# KiCad board ZX-Spectrum-Pentagon.kicad_pcb (continued)
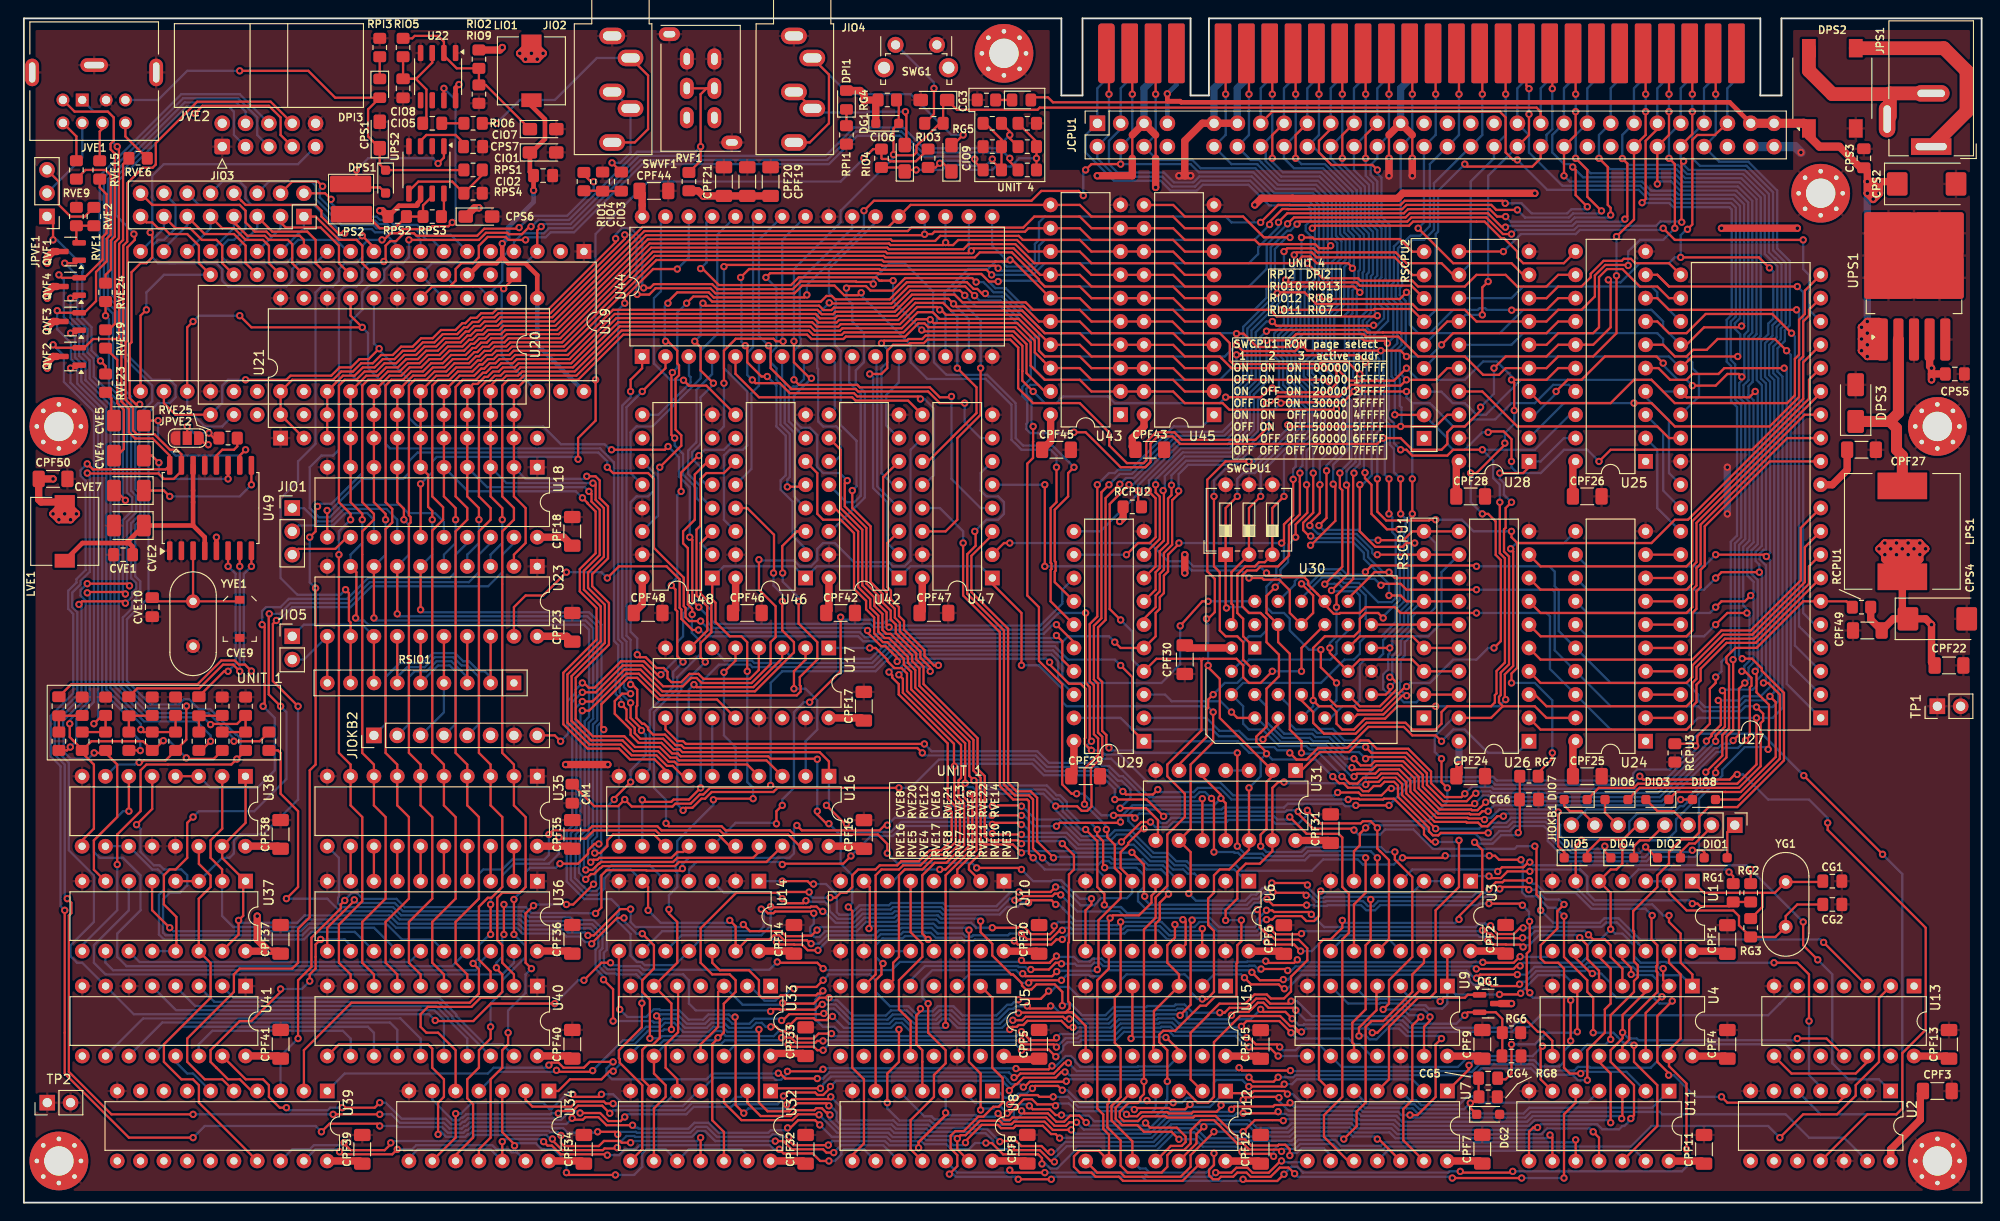
[diagram p0: board, top side]
## Routing (per net, layer and track width the routed paths; a pad name or vN(x,y) marks a point on that pad's centre or on a via; arc(x,y) is an arc through that point) (continued)
/~{RFSH}: length 163.9
  Top w0.25: v1(177.8,110.96) 177.8,115.03 179.07,116.3 v1(179.07,118.84) ; v1(179.07,120.74) 179.07,124.91 XMCPU1.B25 ; v1(181.61,88.99) 184.15,88.99 185.42,90.26 186.68,90.26 v1(187,89.95) ; v1(187.04,59.25) 188.1,59.25 189.18,58.18 189.18,57.94 191.59,55.53 191.59,48.17 186.5,43.08 183.39,43.08 182.37,42.07 182.37,40.33 181.61,39.56 180.44,39.56 179.07,38.19 179.07,36.92 177.8,35.65 177.8,34.38 175.17,31.75 175.17,29.64 175.26,29.55 175.26,26.28 175.67,25.87 175.67,24.56 175.26,24.15 175.26,22.95 172.72,20.41 v1(172.72,17.79) ; v1(166.78,88.36) 168.05,89.63 169.55,89.63 172.09,92.17 177.71,92.17 v1(178.44,91.45)
  Bottom w0.25: v1(172.72,17.79) 172.16,17.22 170.18,17.22 168.92,15.96 ; U28.3 164.47,85.82 166.78,88.13 v1(166.78,88.36) ; v1(179.07,118.84) v1(179.07,120.74) ; v1(178.44,91.45) 178.44,91.22 180.03,89.63 180.97,89.63 v1(181.61,88.99) ; v1(187.04,59.25) 186.69,59.6 186.69,59.78 186.69,59.79 186.69,71.62 187.38,72.3 187.38,87.04 186.73,87.69 186.73,89.28 187,89.55 v1(187,89.95) 187.28,90.22 187.28,94.55 187.69,94.97 187.69,108.94 186.39,110.24 180.29,110.24 179.29,111.23 178.07,111.23 v1(177.8,110.96)
/~{RST}: length 353.1
  Top w0.25: U21.21 35.56,96.61 v1(36.83,95.34) 24.77,95.34 v1(23.49,96.61) ; U3.10 148.59,28.67 148.59,37.31 147.62,38.28 147.61,38.28 147.32,38.58 v1(147.32,40.82) 146.59,41.55 145.75,41.55 145.51,41.31 141.13,41.31 v1(139.7,42.74) ; U19.23 17.78,95.34 v1(18.41,95.98) ; v1(119.47,39.29) 119.47,39.31 121.62,41.46 v1(122.63,41.46) ; v1(65.04,54.27) 65.59,53.72 65.59,52.61 66.49,51.71 66.49,51.14 67.1,50.53 69.59,50.53 70.74,49.38 71.38,49.38 71.68,49.07 86.61,49.07 87.63,48.05 U16.1 ; v1(188.45,88.36) 187.82,87.72 180.99,87.72 U27.26 ; v1(108.59,41.18) 108.39,41.37 105.48,41.37 105.31,41.2 ; v1(188.45,57.88) 188.59,57.74 188.59,55.58 189.95,54.22 189.95,49.47 v1(189.86,49.38) ; v1(87.36,43.27) 89.35,41.28 v1(89.53,41.28)
  Bottom w0.25: v1(108.59,41.18) 108.78,41.18 109.67,40.28 113.52,40.28 114.78,39.02 118.94,39.02 119.21,39.29 v1(119.47,39.29) ; v1(18.41,95.98) 19.05,96.61 v1(23.49,96.61) ; v1(87.36,43.27) 87.63,43.55 U16.1 ; RSCPU2.3 154.28,88.34 155.53,87.09 156.84,87.09 158.12,85.82 159.14,85.82 162.95,89.63 177.17,89.63 178.44,88.36 180.34,88.36 ; v1(122.63,41.46) 123.18,40.9 124.54,40.9 125.1,41.46 130.9,41.46 131.12,41.68 135.84,41.68 136.24,41.28 138.73,41.28 139.7,42.25 v1(139.7,42.74) ; v1(36.83,95.34) 37.46,94.71 37.46,90.9 39.37,88.99 39.37,82.64 39.86,82.15 62.72,82.15 64.22,80.65 64.22,80.01 64.24,80 64.24,61.19 64.69,60.74 64.69,57.39 64.41,57.11 64.41,55.4 65.04,54.78 v1(65.04,54.27) ; v1(189.86,49.38) 189.61,49.62 187.33,49.62 184.88,47.17 184.88,46.53 184.16,45.81 184.15,45.81 182.34,44 182.34,38.09 181.91,37.66 177.12,37.66 176.64,37.19 168.07,37.19 165.88,39.39 165.88,40.59 165.44,41.02 162.27,41.02 161.72,40.48 160.61,40.48 159.69,39.55 158.64,39.55 158,40.19 154.15,40.19 153.97,40.01 153.37,40.01 152.28,41.1 147.59,41.1 v1(147.32,40.82) ; v1(105.41,41.2) 105.13,41.48 95.48,41.48 94.4,40.39 90.42,40.39 v1(89.53,41.28) ; v1(188.45,57.88) 188.72,58.15 188.72,67.83 188.04,68.51 188.04,71.06 188.72,71.74 188.72,88.09 v1(188.45,88.36) ; U20.16 21.59,84.56 21.59,84.55 19.69,84.55 17.78,86.45 U19.23
/~{ZX128K}: length 94.4
  Top w0.25: v1(125.86,62.83) 128.27,65.5 v1(128.91,65.5) ; v1(73.66,45.18) 72.39,43.91 70.73,43.91 70.47,43.66 67.53,43.66 v1(67.31,43.87)
  Bottom w0.25: v1(128.91,65.5) U30.29 ; v1(125.86,62.83) 125.86,58.65 123.83,56.61 113.67,56.61 113.03,57.25 113.03,59.15 112.02,60.15 94.35,60.15 92.52,58.33 79.32,58.33 79.04,58.6 75.66,58.6 73.66,56.61 v1(73.66,45.18) ; v1(67.31,43.87) U16.12
AYVCC: length 44.1
  Top w0.5: LIO1.2 55.24,119.47 56.71,118 56.71,115.86 55.24,114.39 CIO1.1 55.08,112.27 CIO2.1 v1(55.48,110.26) ; U20.3 48.43,101.07 49.69,102.33 51.43,102.33 52.07,102.97 ; v1(52.07,104.47) 52.07,102.97 ; 52.07,102.97 52.71,102.33 54.57,102.33 55.88,101.02 U21.13
  Bottom w0.5: U19.40 55.88,93.45 U21.13 ; v1(55.48,110.26) 55.48,108.99 52.71,106.22 52.71,105.1 v1(52.07,104.47)
POWER: length 177.8
  Top w0.25: DPI2.2 109.91,120.41 111.46,120.41 112.01,119.86 125.98,119.86
  Top w0.5: 187.96,117.57 185.67,119.86 125.98,119.86 125.86,119.98 124.46,119.98 v1(124.46,120.78)
  Top w0.8: CPS2.1 203.66,111.22 v1(201.93,111.22) ; v1(200.66,109.95) v1(201.3,109.31) ; v1(200.66,109.95) v1(201.3,110.58) ; v1(200.66,109.95) 200.65,109.96 200.65,111.23 ; v1(200.66,109.95) v1(201.93,109.95) v1(201.3,110.58) ; UPS1.1 202.34,93.22 201.93,92.8 v1(200.03,92.8) ; UPS1.1 202.34,92.58 201.93,92.17 v1(200.66,92.17) v1(200.03,92.8) ; UPS1.1 201.65,94.71 v1(200.66,94.71) ; UPS1.1 202.34,94.94 201.92,95.35 v1(200.02,95.35) ; UPS1.1 202.34,95.57 201.93,95.98 v1(200.66,95.98) 200.03,95.35 v1(200.02,95.35) ; UPS1.1 202.28,94.07 v1(200.03,94.07) ; UPS1.1 201.77,93.44 v1(200.66,93.44) ; v1(200.02,95.35) v1(200.03,92.8) ; 200.65,111.23 201.92,111.23 v1(201.93,111.22) ; 200.65,111.23 v1(200.66,111.22) v1(201.3,110.58) ; 200.65,111.23 200.65,112.35 CPS3.1 199.92,112.72 197.61,115.03 ; v1(201.3,110.58) v1(201.93,111.22)
  Top w0.9: 197.61,115.03 195.45,115.03 194.3,116.18 DPS2.1 ; v1(201.93,111.22) v1(201.93,109.95) v1(201.3,109.31)
  Top w1: 187.96,117.57 193.74,117.57 DPS2.1
  Bottom w0.5: XMCPU1.A4 125.45,121.77 v1(124.46,120.78) 124.46,117.57
  Bottom w0.8: v1(200.02,95.35) 200.02,95.35 v1(200.66,94.71) ; v1(200.02,95.35) v1(200.03,92.8) ; v1(200.02,95.35) 200.65,95.98 v1(200.66,95.98) ; v1(201.93,109.95) 200.65,111.23 ; v1(201.93,109.95) v1(201.3,109.31) v1(201.3,110.58) ; v1(201.93,109.95) v1(201.93,111.22) 201.92,111.23 200.65,111.23 ; 200.65,111.23 v1(200.66,111.22) v1(200.66,109.95) v1(200.66,95.98) ; v1(200.03,92.8) v1(200.66,93.44) ; v1(200.03,92.8) v1(200.66,92.17) v1(200.66,95.98) ; v1(200.66,94.71) v1(200.03,94.07) v1(200.66,93.44) ; v1(200.66,94.71) v1(200.66,93.44)
Net-(CIO3-Pad1): length 4.1
  Top w0.25: 64.77,110.18 62.74,110.18 62.7,110.22 60.71,110.22
Net-(CIO5-Pad1): length 2.4
  Top w0.25: CIO5.1 RIO6.1
Net-(CIO6-Pad1): length 24
  Top w0.25: v1(97.13,112.49) 96.05,112.49 CIO6.1 95.45,112.76 RIO4.2 ; RIO13.1 110.22,115.57 RIO8.2 v1(110.22,113.76) RIO7.2
  Bottom w0.25: v1(97.13,112.49) 97.13,112.5 100,112.5 100.54,113.04 102.47,113.04 103.02,112.5 105.42,112.5 105.78,112.85 107.44,112.85 108.34,113.76 v1(110.22,113.76)
Net-(CIO6-Pad2): length 16.9
  Top w0.25: v1(95.95,118.84) 95.95,118.5 96.06,118.39 96.06,115.37 CIO6.2 ; JIO4.RN 84.02,120.98 85.82,119.18
  Bottom w0.25: v1(95.95,118.84) 91.83,118.84 91.74,118.75 86.25,118.75 85.82,119.18
Net-(CIO9-Pad1): length 17.1
  Top w0.25: RIO10.2 104.64,117.57 106.41,115.8 RIO12.1 RIO11.2 105.41,113.49 v1(105.41,113.67) ; RIO3.2 99.23,112.76 v1(99.69,113.22) 100.07,113.22 CIO9.1
  Bottom w0.25: v1(99.69,113.22) 99.97,113.49 102.66,113.49 103.2,112.95 104.69,112.95 v1(105.41,113.67)
Net-(CIO9-Pad2): length 34.2
  Top w0.25: CIO9.2 101.13,115.2 v1(102.24,116.3) ; JIO4.TN 85.54,115.48 87.63,117.57 87.63,122.88 85.82,124.68
  Bottom w0.25: v1(102.24,116.3) 100.97,116.3 96.52,120.74 89.76,120.74 85.82,124.68
Net-(CVE3-Pad1): length 4.3
  Top w0.25: RVE22.1 21.55,53.03 CVE3.1 RVE18.2
Net-(CVE4-Pad2): length 13.2
  Top w0.25: CVE4.2 10.16,81.38 10.88,82.09 10.88,86.37 10.16,87.09 10.16,91.8 RVE19.2
Net-(CVE5-Pad2): length 3.5
  Top w0.25: CVE5.2 9.52,85.47 9.52,87.63 RVE23.2
Net-(CVE6-Pad1): length 4.3
  Top w0.25: RVE17.2 CVE6.1 13.93,53.03 RVE21.1
Net-(CVE7-Pad2): length 24.2
  Top w0.25: CVE7.2 9.99,77.56 v1(11.04,76.51) ; RVE24.2 v1(8.89,96.61)
  Bottom w0.25: v1(11.04,76.51) 10.77,76.78 10.77,87.44 9.26,88.95 9.26,96.24 v1(8.89,96.61)
Net-(CVE8-Pad1): length 4.3
  Top w0.25: RVE20.1 6.31,53.03 CVE8.1 RVE16.2
Net-(DG2-K): length 18.4
  Top w0.25: 158.35,13.43 158.35,11.56 RG8.2 157.71,10.85 v1(157.44,10.85) 157.44,10.32 DG2.1
  Bottom w0.25: v1(157.44,10.85) 156.75,10.16 151.91,10.16 151.36,10.71 150.67,10.71 150.59,10.8 146.14,10.8 U7.5
Net-(DPI1-K): length 1.8
  Top w0.25: DPI1.1 RPI1.1
Net-(DPI2-K): length 1.8
  Top w0.25: DPI2.1 RPI2.1
Net-(DPI3-K): length 2.4
  Top w0.25: RPI3.1 DPI3.1
Net-(DPS1-A): length 17.8
  Top w0.25: v1(45.09,113.19) 45.72,113.83 45.72,115.06 ; v1(36.2,112.49) 36.2,111.6 LPS2.1 35.94,110.58 38.76,110.58 DPS1.2
  Bottom w0.25: v1(36.2,112.49) 37.46,113.76 44.52,113.76 v1(45.09,113.19)
Net-(DPS3-K): length 20.6
  Top w1.2: LPS1.1 204.47,81.38 203.84,82.01 203.84,84.36 203.11,85.09 ; 203.11,85.09 DPS3.1 ; 203.11,85.09 204.04,86.02 UPS1.2
Net-(JPVE2-C): length 5.2
  Top w0.25: RVE25.2 20.68,83.28 v1(20.14,83.83) ; v1(17.78,84.55) JPVE2.2
  Bottom w0.25: v1(20.14,83.83) 18.5,83.83 v1(17.78,84.55)
Net-(QG1-B): length 9.7
  Top w0.25: QG1.1 157.17,22.63 156.85,22.32 154.55,22.32 v1(154.16,21.93)
  Bottom w0.25: v1(154.16,21.93) 153.77,22.32 150.88,22.32 149.87,23.33 149.87,23.58
Net-(QVF1-B): length 69.5
  Top w0.25: v1(4.45,102.33) 5.7,102.33 QVF1.1 ; v1(22.86,50.26) 25.67,50.26 RVE3.1
  Bottom w0.25: v1(22.86,50.26) 22.86,50.56 20.1,53.32 13.45,53.32 10.32,56.45 10.32,87.25 7.6,89.97 7.6,91.95 6.92,92.63 6.92,95.17 5.8,96.28 5.8,100.97 v1(4.45,102.33)
Net-(QVF1-E): length 4
  Top w0.25: QVF1.2 5.71,104.85 RVE1.2 7.75,106.41
Net-(QVF2-B): length 47.2
  Top w0.25: RVE5.1 RVE4.1 RVE12.1 8.52,53.07 v1(7.62,52.16) ; QVF2.1 5.7,90.9 v1(5.08,90.9)
  Bottom w0.25: v1(7.62,52.16) 8.07,52.61 8.07,86.32 5.08,89.31 v1(5.08,90.9)
Net-(QVF2-E): length 75.8
  Top w0.25: v1(5.05,49.63) 4.69,49.26 RVE16.1 ; RVE6.1 10.79,113.12 10.79,104.86 10.36,104.43 10.36,94.28 10.16,94.07 7.54,94.07 6.58,93.12 3.5,93.12 v1(3.18,93.44)
  Bottom w0.25: v1(5.05,49.63) 5.71,50.29 5.71,52.64 7.62,54.55 7.62,86.13 4.36,89.4 4.36,92.26 v1(3.18,93.44)
Net-(QVF3-B): length 53.1
  Top w0.25: v1(12.73,51.53) 13,51.26 RVE8.1 RVE7.1 RVE13.1 ; QVF3.1 5.7,94.71 v1(5.08,94.71)
  Bottom w0.25: v1(5.08,94.71) 5.57,94.22 5.57,92.07 6.25,91.39 6.25,89.41 8.97,86.69 8.97,55.89 12.73,52.13 v1(12.73,51.53)
Net-(QVF3-E): length 76.5
  Top w0.25: v1(12.67,49.24) 12.65,49.26 RVE17.1 ; v1(3.63,97.16) 3.86,96.93 6.58,96.93 7.86,98.2 7.86,101.38 9.02,102.54 9.02,104.99 9.45,105.42 9.45,111.93 8.89,112.49 8.89,112.49 6.71,112.49 RVE9.1
  Bottom w0.25: v1(12.67,49.24) 12.67,50.29 11.43,51.53 11.43,52.8 8.52,55.71 8.52,86.5 5.8,89.22 5.8,91.2 5.12,91.89 5.12,93.65 3.63,95.14 v1(3.63,97.16)
Net-(QVF4-B): length 66.1
  Top w0.25: v1(5.08,98.52) 5.7,98.52 QVF4.1 ; RVE11.1 RVE10.1 RVE14.1 23.2,52.14 20.39,52.14 v1(20.32,52.08)
  Bottom w0.25: v1(5.08,98.52) 5.08,96.37 6.47,94.98 6.47,92.45 7.15,91.76 7.15,89.78 9.87,87.06 9.87,56.27 13.27,52.87 19.53,52.87 v1(20.32,52.08)
Net-(QVF4-E): length 77.6
  Top w0.25: v1(3.81,101.06) 4.13,100.74 6.58,100.74 8.57,102.72 8.57,105.18 9,105.61 9,109.84 8.25,110.58 RVE15.1 ; v1(20.32,50.26) 19.32,49.26 RVE18.1
  Bottom w0.25: v1(20.32,50.26) 20.32,50.89 18.8,52.42 13.08,52.42 9.42,56.08 9.42,86.88 6.7,89.59 6.7,91.57 6.02,92.26 6.02,94.8 4.35,96.47 4.35,100.52 v1(3.81,101.06)
Net-(RG5-Pad2): length 10.7
  Top w0.25: RG5.2 99.06,118.57 v1(99.06,121.38)
  Bottom w0.25: 94.96,126.11 99.06,122.01 v1(99.06,121.38)
Net-(U1A-A): length 18.7
  Top w0.25: 189.23,33.75 189.23,32.21 RG3.1 ; 189.23,33.75 190.59,33.75 YG1.1 195.47,34.93 195.81,35.27 ; 189.23,33.75 182.88,33.75 182.25,34.38 182.24,34.38 181.61,35.01
Net-(U1A-~{Y}): length 25.3
  Top w0.25: CG2.2 193.04,32.48 191.77,31.21 YG1.2 190.66,28.94 RG3.2 186.69,30.21 186.69,31.21 186.08,31.82 181,31.82 179.07,33.75 179.07,35.01
  Bottom w0.25: 179.07,35.01 176.53,35.01
Net-(U1B-~{Y}): length 13.7
  Top w0.25: v1(185.6,36.01) 186.06,35.55 RG1.1
  Bottom w0.25: 173.99,35.01 174.46,35.01 175.74,36.29 185.32,36.29 v1(185.6,36.01)
Net-(U1D-A): length 44.5
  Top w0.25: v1(170.73,24.96) 170.59,24.96 168.91,26.64 U1.9 ; 198.12,12.15 198.12,11.53 197.49,10.89 185.42,10.89 v1(184.78,11.53) ; v1(179.43,21.96) 177.8,20.34 177.8,15.33 179.03,14.1 v1(179.03,13.88)
  Bottom w0.25: v1(179.03,13.88) 179.59,13.88 181.95,11.53 v1(184.78,11.53) ; v1(170.73,24.96) 171.68,24.96 172.72,23.92 172.72,22.95 173.36,22.32 177.38,22.32 178,21.7 179.16,21.7 v1(179.43,21.96)
Net-(U1E-A): length 15.2
  Top w0.25: v1(174.95,24.86) 174.95,25.57 173.99,26.53 173.99,27.39 ; v1(178.3,22.42) 176.53,20.66 176.53,15.96
  Bottom w0.25: v1(178.3,22.42) 177.8,22.92 177.8,24.22 177.25,24.78 175.03,24.78 v1(174.95,24.86)
Net-(U1F-A): length 133.2
  Top w0.25: 104.14,23.59 105.41,22.32 105.41,14.7 106.54,13.57 106.54,10.89 106.09,10.44 105.51,10.44 104.44,9.37 103.89,9.37 102.31,7.79 101.39,7.79 100.88,7.28 100.88,5.9 101.6,5.17 101.6,3.97 v1(100.74,3.11) ; v1(156.34,3.41) 156.48,3.27 161.93,3.27 v1(162.06,3.41) ; v1(180.97,5.81) 180.97,12.97 179.07,14.87 179.07,16.6 180.34,17.88 180.34,24.86 179.07,26.13 179.07,27.39 ; v1(132.71,2.55) 132.89,2.36 136.43,2.36 v1(137.16,3.09) ; v1(108.23,2.55) v1(111.83,2.55)
  Bottom w0.25: v1(162.06,3.41) 180.47,3.41 180.97,3.91 v1(180.97,5.81) ; v1(100.74,3.11) 101.13,3.11 101.15,3.09 101.15,3.08 101.41,2.82 107.01,2.82 107.01,2.82 107.62,2.82 107.62,2.82 107.96,2.82 v1(108.23,2.55) ; v1(132.71,2.55) 132.53,2.37 122.18,2.37 121.73,2.82 112.11,2.82 v1(111.83,2.55) ; v1(137.16,3.09) 137.97,3.91 138.6,3.91 139.23,3.27 155.05,3.27 155.18,3.41 v1(156.34,3.41)
Net-(U2A-C): length 73.4
  Top w0.25: v1(187.96,36.29) RG2.2 ; v1(193.68,30.57) 193.68,28.03 v1(195.26,26.45) ; v1(160.43,36.07) 160.89,36.53 163.22,36.53 163.77,37.09 v1(163.92,37.09)
  Bottom w0.25: v1(195.26,26.45) 196.85,24.86 196.85,15.18 198.6,13.43 201.93,13.43 203.21,12.15 ; v1(160.43,36.07) 160.21,36.29 151.13,36.29 U3.4 ; v1(163.92,37.09) 164.27,36.74 187.51,36.74 v1(187.96,36.29) v1(193.68,30.57)
Net-(U3A-A): length 34.1
  Top w0.25: v1(159.47,35.57) 159.69,35.35 160.76,35.35 161.49,36.08 163.92,36.08 v1(163.92,36.09) ; RG2.1 RG1.2 185.6,32.29 182.46,32.29 182.19,32.57 v1(181.61,32.57)
  Bottom w0.25: v1(163.92,36.09) 164.12,36.29 169.42,36.29 170.18,35.53 170.18,33.75 171,32.93 181.25,32.93 v1(181.61,32.57) ; U3.1 158.03,35.57 v1(159.47,35.57)
Net-(U3D-~{Y}): length 8.7
  Bottom w0.25: U3.8 143.51,28.67 148.59,28.67 U3.11
Net-(U3F-A): length 50.7
  Top w0.25: 168.92,23.58 U4.6 169.09,23.42 169.09,18.62 v1(169.09,18.62) ; U3.13 154.94,23.58 ; v1(160.62,22.68) 162.8,22.68 v1(162.92,22.81) ; 160.42,13.43 161.29,13.43 161.93,14.06 v1(161.93,17.24)
  Bottom w0.25: v1(160.62,22.68) 155.84,22.68 154.94,23.58 154.94,21.69 154.4,21.14 152.93,21.14 152.57,21.5 150.97,21.5 150.34,22.13 148.52,22.13 148.44,22.21 147.47,22.21 147.39,22.13 146.23,22.13 144.78,23.58 ; v1(161.93,17.24) 164.47,17.24 165.74,18.51 168.98,18.51 v1(169.09,18.62) ; v1(162.92,22.81) 163.11,22.99 163.11,23.08 164.81,24.78 167.72,24.78 168.92,23.58
Net-(U4A-B): length 82.8
  Top w0.25: 179.08,23.58 178.44,24.22 v1(178.44,25.49) ; v1(112.94,24.22) 112.94,24.22 109.64,24.22 v1(109.37,23.95) ; v1(158.12,24.46) 158.5,24.84 v1(162.56,24.84) ; v1(137.09,24.3) 137.02,24.22 134.53,24.22 v1(133.67,25.09)
  Bottom w0.25: v1(133.67,25.09) 133.45,25.31 117.86,25.31 117.21,24.66 116.09,24.66 115.94,24.81 113.53,24.81 v1(112.94,24.22) ; v1(162.56,24.84) 163.6,24.84 164.44,25.68 169.73,25.68 170.18,26.13 175.34,26.13 175.79,25.68 177.9,25.68 178.08,25.49 v1(178.44,25.49) ; v1(158.12,24.46) 157.88,24.46 157.06,25.28 138.59,25.28 137.6,24.3 v1(137.09,24.3) ; v1(109.37,23.95) 108.57,23.95 107.66,24.86 102.87,24.86 101.6,23.59
Net-(U7A-~{Y}): length 52.4
  Top w0.25: v1(137.18,12.91) 136.92,12.65 v1(133.34,12.65) ; v1(122.24,11.12) 122.48,10.89 v1(125.09,10.89) ; v1(109.78,12.44) 110.05,12.72 112.56,12.72 v1(113.03,12.25)
  Bottom w0.25: v1(133.34,12.65) 133.34,12.65 132.62,13.36 129.78,13.36 129.54,13.12 129.54,11.51 128.9,10.87 127.78,10.87 127.23,11.42 126.6,11.42 126.07,10.89 v1(125.09,10.89) ; U8.1 106.04,12.16 106.77,11.44 107.82,11.44 108.25,11.86 109.09,11.86 109.67,12.44 v1(109.78,12.44) ; v1(122.24,11.12) 121.98,10.86 114.96,10.86 113.58,12.25 v1(113.03,12.25) ; U7.2 151.13,13.43 138.57,13.43 138.05,12.91 v1(137.18,12.91)
Net-(U7C-~{Y}): length 54.9
  Top w0.25: RG7.2 162.83,40.47 v1(162.66,40.3) ; U7.6 140.97,13.43 140.97,28.2 141.44,28.67 142.24,28.67 143.51,29.94 v1(143.51,30.74) ; v1(156.21,30.85) 156.21,31.21 158.75,33.75 158.75,38.41 v1(157.91,39.26)
  Bottom w0.25: v1(156.21,30.85) 155.83,30.47 143.78,30.47 v1(143.51,30.74) ; v1(157.91,39.26) 158.06,39.1 159.87,39.1 160.8,40.03 162.39,40.03 v1(162.66,40.3)
Net-(U7D-~{Y}): length 41.6
  Top w0.25: v1(107.31,3.54) 107.59,3.27 v1(111.12,3.27) ; v1(129.73,3.27) 131.44,3.27 131.98,3.81 133.19,3.81 133.73,3.26 135.51,3.26 136.79,4.54 v1(136.89,4.54)
  Bottom w0.25: v1(129.73,3.27) 129.28,2.82 122.37,2.82 121.92,3.27 v1(111.12,3.27) ; 101.6,3.27 107.04,3.27 v1(107.31,3.54) ; 101.6,3.28 U8.12 ; v1(136.89,4.54) 137.03,4.41 139.57,4.41 U7.8
Net-(U10-UP): length 21.1
  Top w0.25: 96.52,35.01 96.52,29.46 97.79,28.19 97.79,26.76 95.25,24.22 95.25,21.05 96.52,19.78 96.52,15.97
Net-(U10-~{CR}): length 2.5
  Bottom w0.25: 93.98,27.39 96.52,27.39
Net-(U11A-~{Y}): length 81.6
  Top w0.25: v1(120.87,10.14) 121.03,10.3 124.66,10.3 124.79,10.16 126.4,10.16 v1(126.93,10.7) ; U12.1 131.04,11.92 133.64,11.92 133.88,12.16 137.2,12.16 v1(137.53,11.83) ; v1(107.27,10.71) 107.47,10.71 108.48,11.72 110.35,11.72 110.54,11.53 v1(112.04,11.53)
  Bottom w0.25: v1(126.93,10.7) 127.21,10.42 129.09,10.42 U12.1 ; v1(137.53,11.83) 138.12,11.83 139.06,10.89 145.41,10.89 145.96,10.35 150.4,10.35 150.48,10.26 151.18,10.26 151.73,9.72 163.24,9.72 163.86,10.33 177.26,10.33 U11.1 ; v1(120.87,10.14) 120.59,10.41 114.78,10.41 113.66,11.52 v1(112.04,11.52) ; v1(107.27,10.71) 107.09,10.89 103.5,10.89 102.88,11.52 U8.2
Net-(U11B-~{Y}): length 23.4
  Bottom w0.25: U7.3 150.86,11.16 151.55,11.16 152.1,10.61 156.18,10.61 157.14,11.57 157.74,11.57 158.42,10.89 170.19,10.89 U11.4
Net-(U11C-A): length 111.8
  Top w0.25: v1(174.91,9.16) 175.26,9.51 175.26,12.79 172.72,15.33 172.72,16.6 174.02,17.9 v1(174.02,18.53) 174.02,20.44 176.53,22.96 176.53,23.58 ; 115.58,4.53 116.84,3.27 119.38,3.27 119.83,2.82 125.92,2.82 127,3.91 127,5.17 129.54,7.71 v1(129.54,7.73) ; v1(137.08,8.93) 137.03,8.98 133.99,8.98 132.73,7.73 v1(132.72,7.73) ; v1(193.04,17.88) 196.22,17.88 198.12,15.97 ; U11.8 163.84,7.72 164.3,8.19 v1(164.76,8.19)
  Bottom w0.25: v1(174.02,18.53) 174.67,17.88 174.96,17.88 175.56,17.88 175.75,17.69 192.86,17.69 v1(193.04,17.88) ; v1(129.54,7.73) v1(132.72,7.73) ; v1(137.08,8.93) 137.24,9.09 144.67,9.09 145.21,8.55 149.02,8.55 149.66,7.91 164.49,7.91 v1(164.76,8.19) 165.11,8.54 171.26,8.54 171.81,7.99 173.63,7.99 173.99,8.35 174.22,8.35 174.64,8.77 174.64,8.89 v1(174.91,9.16)
Net-(U11D-A): length 105.9
  Top w0.25: U11.11 171.46,7.07 v1(170.81,7.72) ; v1(86.56,9.57) 86.5,9.62 84.27,9.62 83.64,8.98 78.1,8.98 76.2,10.89 U32.3 ; v1(112.74,7.03) 112.3,7.47 111.81,7.47 110.91,8.37 107.97,8.37 107.71,8.11 106.37,8.11 106.01,8.47 104.26,8.47 102.49,6.7 v1(102.49,6.53)
  Bottom w0.25: v1(112.74,7.03) 112.76,7.05 122.77,7.05 124.71,8.99 130.96,8.99 130.96,8.99 133.35,8.99 134.23,8.11 137.45,8.11 137.99,8.64 144.48,8.64 145.02,8.1 148.84,8.1 149.47,7.47 165.2,7.47 165.82,8.09 170.44,8.09 v1(170.81,7.72) ; v1(102.49,6.53) 102.22,6.26 101.15,6.26 100.6,6.81 98.21,6.81 97.87,7.15 94.56,7.15 94.09,7.61 88.52,7.61 86.56,9.57 v1(86.56,9.57)
Net-(U11D-~{Y}): length 30.2
  Bottom w0.25: U11.13 175.4,5.66 148.44,5.66 U7.11
Net-(U12A-~{Y}): length 38
  Top w0.25: v1(139.06,18.6) 138.65,18.6 138.65,18.81 138.22,19.23 137.83,19.23 136.74,20.32 132.38,20.32 129.54,17.48 129.54,11.53 128.91,10.89 127.76,10.89 126.5,12.15 125.74,12.15 ; 152.41,23.58 152.39,23.58 147.32,18.51 v1(146.77,18.51)
  Bottom w0.25: v1(139.06,18.6) 139.06,18.51 139.52,18.96 146.32,18.96 v1(146.77,18.51)
Net-(U12B-~{Y}): length 112.7
  Top w0.25: 132.08,6.44 132.72,6.44 ; 132.08,6.44 129.53,8.99 128.14,8.99 127,7.85 127,6.44 126.28,5.73 125.03,5.73 124.46,5.16 124.46,3.91 123.83,3.27 120.14,3.27 119.38,4.03 119.38,6.77 117.94,8.21 117.94,10.72 118.12,10.9 U12.6 ; 132.08,6.44 132.08,6.44 132.72,6.44 ; 132.72,6.44 133.39,5.77 136.71,5.77 v1(136.9,5.58) ; 203.21,23.58 201.93,22.3 201.93,15.33 199.39,12.79 199.39,11.65 197.36,9.62 193.68,9.62 v1(191.14,7.08)
  Bottom w0.25: v1(191.14,7.08) 189.87,8.35 177.17,8.35 174.93,6.11 148.26,6.11 147.89,5.75 143.18,5.75 142.54,6.39 138.92,6.39 138.38,5.86 137.17,5.86 v1(136.9,5.58)
Net-(U12D-~{Y}): length 79.2
  Top w0.25: v1(108.6,9.99) 108.88,9.72 111.47,9.72 112.37,8.82 113.24,8.82 113.9,9.48 114.88,9.48 v1(115.62,8.73) ; 74.94,27.4 74.94,26.12 75.75,25.31 78.93,25.31 80.01,24.22 80.01,22.64 80.33,22.32 82.13,22.32 82.39,22.58 86.23,22.58 86.42,22.77 86.67,22.77 v1(86.97,23.07) ; v1(95.25,18.86) 95.25,15.33 93.98,14.06 v1(93.98,10.89) ; v1(122.1,8.68) 122.61,8.16 125.49,8.16 126.46,7.2 126.46,6.6 126.03,6.18 124.84,6.18 U12.11
  Bottom w0.25: v1(122.1,8.68) 121.82,8.4 115.95,8.4 v1(115.62,8.73) ; v1(86.97,23.07) 86.97,22.93 86.18,22.14 86.18,19.96 87,19.14 88.21,19.14 88.76,18.59 94.98,18.59 v1(95.25,18.86) ; v1(93.98,10.89) 93.98,10.25 94.82,9.41 94.84,9.41 95.3,8.95 98.62,8.95 98.96,8.61 103.24,8.61 103.39,8.47 107.43,8.47 107.95,8.98 107.95,8.99 108.6,9.64 v1(108.6,9.99)
Net-(U13B-D): length 12.1
  Top w0.25: 200.67,15.96 200.67,15.34 199.39,14.06 192.4,14.06 190.5,15.96
Net-(U16-Q0): length 16.8
  Top w0.25: U17.2 85.07,59.13 83.82,57.88 v1(83.82,55.97)
  Bottom w0.25: U16.2 85.09,50.26 86.36,51.53 86.36,54.7 85.09,55.97 v1(83.82,55.97)
Net-(U16-Q1): length 15
  Top w0.25: U17.5 77.46,59.03 v1(76.2,57.77)
  Bottom w0.25: U16.5 77.47,49.62 76.2,50.89 v1(76.2,57.77)
Net-(U16-Q2): length 6.4
  Bottom w0.25: U17.11 74.93,52.78 U16.6
Net-(U17-~{A}/B): length 67.3
  Top w0.25: v1(93.51,26.05) 93.34,25.88 93.34,24.86 92.72,24.23 U8.6 ; v1(98.43,28.67) 97.79,29.3 97.79,35.65 99.15,37.01 100.42,37.01 102.34,38.94 102.34,43.51 101.73,44.12 101.73,45.99 102.01,46.27 102.01,49.85 96.13,55.73 96.13,57.64 95.54,58.23 94.75,58.23 93.98,59.01 93.98,59.15 92.71,60.42 v1(92.07,60.42)
  Bottom w0.25: v1(98.43,28.67) 98.21,28.67 97.84,29.04 95.91,29.04 95.65,28.78 93.46,28.78 92.71,28.03 92.71,26.76 93.42,26.05 v1(93.51,26.05) ; v1(92.07,60.42) U17.1
Net-(U18-Q4): length 92
  Top w0.25: v1(91.44,113.76) 92.44,114.76 RIO4.1 93.34,113.76 93.42,113.69 94.03,113.69 94.29,113.42 94.7,113.42 94.71,113.44 97.1,113.44 RIO3.1 ; U18.15 v1(43.18,78.29) ; v1(60.32,80.98) 60.32,83.28 62.23,85.18 v1(62.23,89.63)
  Bottom w0.25: v1(43.18,78.29) 44.45,79.56 44.45,80.74 44.94,81.23 60.08,81.23 v1(60.32,80.98) ; v1(91.44,113.76) 88.9,111.22 67.94,111.22 62.23,105.5 v1(62.23,89.63)
Net-(U22-+): length 19.2
  Top w0.25: RIO5.2 42.27,126.82 42.55,127.09 45.09,127.09 45.72,126.46 U22.2 45.72,124.95 47.11,123.55 RIO2.2 RIO9.1 50.27,121.74 54.44,117.57
Net-(U22--): length 14.2
  Top w0.25: U22.3 44.45,124.17 42.69,122.42 CIO8.1 ; CIO8.1 42.65,122.42 43.82,121.25 43.82,117.97 CIO5.2 ; CIO8.1 RIO5.1
Net-(U31A-Y): length 2.5
  Bottom w0.25: U31.4 133.36,47.07
Net-(U32A-B): length 150.5
  Top w0.25: U8.13 102.87,4.54 101.6,5.81 v1(101.6,6.98) 101.96,7.34 102.5,7.34 104.07,8.92 106.2,8.92 106.55,8.56 107.53,8.56 107.78,8.82 111.1,8.82 112,7.92 113.61,7.92 113.62,7.93 v1(114.01,7.93) ; 171.46,15.96 171.46,15.33 172.72,14.06 v1(172.72,8.71) ; v1(58.17,9.73) 58.41,9.97 59.73,9.97 60.32,10.56 62.95,10.56 v1(63.77,9.74) ; v1(132.72,9.75) 133.61,9.75 133.62,9.74 136.35,9.74 v1(136.53,9.91) ; U32.2 78.74,10.89 80.19,9.44 83.45,9.44 84.09,10.07 86.04,10.07 86.26,10.29 86.86,10.29 87.32,9.82 87.47,9.82 v1(87.74,9.56)
  Bottom w0.25: v1(136.53,9.91) 136.78,9.65 136.78,9.66 137.38,9.66 137.5,9.54 144.85,9.54 145.4,9 149.21,9 149.84,8.36 163.8,8.36 164.42,8.98 172.45,8.98 v1(172.72,8.71) ; v1(87.74,9.56) 87.63,9.44 87.63,9.13 88.7,8.06 94.28,8.06 94.74,7.6 98.06,7.6 98.4,7.26 101.32,7.26 v1(101.6,6.98) ; v1(132.72,9.75) 132.05,9.75 131.75,9.44 131.14,9.44 131.14,9.44 124.52,9.44 122.58,7.5 114.44,7.5 v1(114.01,7.93) ; U32.2 78.1,11.53 77.47,11.53 76.84,10.89 72.73,10.89 71.91,10.07 64.45,10.07 64.44,10.06 64.09,10.06 v1(63.77,9.74) ; U34.6 44.45,11.22 46.7,8.97 47.3,8.97 47.58,9.25 47.76,9.25 48.14,9.62 57.29,9.62 57.41,9.73 v1(58.17,9.73)
Net-(U32C-B): length 38.3
  Top w0.25: 52.07,12.45 52.07,7.67 53.4,6.34 v1(53.4,6.2) ; v1(59.05,3.27) 59.31,3.02 v1(64.39,3.02)
  Bottom w0.25: v1(64.39,3.02) 66.42,3.02 67.31,3.91 67.31,5.34 67.78,5.81 69.85,5.81 U32.10 72.39,5.81 78.1,5.81 78.74,5.17 U32.13 ; v1(53.4,6.2) 53.68,6.47 55.72,6.47 56.38,5.81 57.68,5.81 59.05,4.43 v1(59.05,3.27)
Net-(U33A-D): length 100.3
  Top w0.25: 166.37,15.97 166.37,17.63 165.4,18.6 164.8,18.6 163.53,19.87 v1(163.19,19.87) ; v1(111.76,21.42) 111.49,21.15 109.49,21.15 v1(109.22,21.42) ; v1(87,24.22) 86.26,23.49 84,23.49 v1(83.82,23.31) ; v1(131.44,20.41) 131.81,20.78 133.32,20.78 134.32,21.77 134.92,21.77 135.47,21.22 138.18,21.22 v1(138.45,20.96)
  Bottom w0.25: v1(138.45,20.96) 139.54,19.86 150.06,19.86 150.88,19.05 161.83,19.05 162.37,19.59 162.92,19.59 v1(163.19,19.87) ; v1(109.22,21.42) 109.17,21.38 107.96,21.38 107.69,21.1 107.21,21.1 106.05,19.94 102,19.94 101,20.94 99.66,20.94 99.11,20.39 97.3,20.39 96.3,21.39 94.28,21.39 92.71,22.95 92.71,24.22 92.07,24.86 87.63,24.86 v1(87,24.22) ; v1(111.76,21.42) 112.02,21.42 112.71,20.73 114.22,20.73 114.98,19.97 117.93,19.97 118.82,20.86 122.97,20.86 123.08,20.96 125.39,20.96 125.55,21.13 126.15,21.13 126.58,20.71 126.58,20.2 126.81,19.97 131,19.97 v1(131.44,20.41) ; 78.75,23.87 80.61,22.01 81.81,22.01 82.28,22.47 82.7,22.47 83.54,23.31 v1(83.82,23.31)
Net-(U33B-D): length 67.7
  Top w0.25: v1(136.53,15.97) 135.71,16.79 133.52,16.79 v1(133.35,16.96) ; v1(108.59,16.6) 108.64,16.67 111.54,16.67 v1(112.32,15.9) ; v1(87,16.6) 86.36,16.6 85.99,16.98 83.46,16.98 v1(83.19,17.25)
  Bottom w0.25: v1(133.35,16.96) 133.08,16.96 131.88,18.16 125.16,18.16 124.61,18.71 124.01,18.71 123.9,18.61 119.75,18.61 118.86,17.72 115.11,17.72 114.87,17.47 113.57,17.47 113.12,17.01 113.12,16.64 112.37,15.9 ; v1(87,16.6) 87.63,17.24 107.95,17.24 v1(108.59,16.6) ; U33.12 77.47,17.24 83.17,17.24 v1(83.19,17.25) ; v1(136.53,15.97) 139.69,15.97 139.71,15.96
Net-(U34B-A): length 120.6
  Top w0.25: v1(107.49,5.99) 107.76,5.72 110.59,5.72 111.76,4.54 112.07,4.54 v1(112.17,4.44) ; v1(80.01,18.86) 80.01,10.89 80.95,9.95 83.33,9.95 84.21,10.83 87.35,10.83 v1(87.62,10.55) ; v1(61.91,14.38) 61.78,14.25 58.24,14.25 58.07,14.41 v1(57.97,14.41) ; v1(147.32,6.92) 147.48,6.92 U7.12
  Bottom w0.25: v1(61.91,14.38) 65.22,17.69 66.28,17.69 67.75,19.16 69.36,19.16 69.79,19.59 70.79,19.59 71.78,18.59 74.51,18.59 75.06,19.14 76.03,19.14 76.58,18.59 79.74,18.59 v1(80.01,18.86) ; U34.4 51.62,14.25 57.81,14.25 v1(57.97,14.41) ; v1(112.17,4.44) 112.17,4.83 112.39,5.06 112.43,5.06 113.52,6.15 123.14,6.15 125.08,8.09 127.59,8.09 128.68,7 133.02,7 133.22,7.21 137.83,7.21 138.36,7.74 144.11,7.74 144.65,7.2 147.05,7.2 v1(147.32,6.92) ; v1(87.62,10.55) 87.77,10.55 88.47,9.86 88.47,8.93 88.89,8.51 94.47,8.51 94.93,8.05 98.25,8.05 98.59,7.71 102.87,7.71 103.01,7.57 104.68,7.57 105.51,6.73 105.51,6.34 106.04,5.81 107.31,5.81 v1(107.49,5.99)
Net-(U34C-~{Y}): length 57.1
  Top w0.25: v1(87.63,4.54) 86.67,4.54 85.85,5.36 82.68,5.36 v1(82.23,5.81) ; v1(56.57,6.65) 57,6.21 57.47,6.21 58.42,5.26 63.41,5.26 v1(63.5,5.17) ; v1(52.07,6.65) U34.12
  Bottom w0.25: U8.9 91.44,5.81 89.26,5.81 88.99,5.54 88.99,5.26 88.26,4.54 v1(87.63,4.54) ; v1(52.07,6.65) 52.34,6.92 56.3,6.92 v1(56.57,6.65) ; 41.91,4.83 42.89,5.81 50.8,5.81 U34.12 ; v1(63.5,5.17) 64.79,5.17 65.43,5.81 66.59,5.81 67.04,6.26 81.2,6.26 81.65,5.81 v1(82.23,5.81)
Net-(U35-Q0): length 3.8
  Top w0.25: U35.19 53.34,35.03
Net-(U35-Q1): length 3.8
  Top w0.25: U35.18 50.8,35.03
Net-(U35-Q2): length 3.8
  Top w0.25: U35.17 48.26,35.03
Net-(U35-Q3): length 3.8
  Top w0.25: U35.16 45.72,35.03
Net-(U35-Q4): length 3.8
  Top w0.25: U35.15 43.18,35.03
Net-(U35-Q5): length 3.8
  Top w0.25: U35.14 40.64,35.03
Net-(U35-Q6): length 3.8
  Top w0.25: U35.13 38.1,35.03
Net-(U35-Q7): length 3.8
  Top w0.25: U35.12 35.56,35.03
Net-(U37-SE0): length 42.9
  Top w0.25: 19.05,38.83 19.05,36.9 20.32,35.63 20.32,34.38 19.03,33.1 19.03,27.39 20.32,26.1 20.32,22.32 15.24,17.24 15.24,15.33 17.15,13.43 18.41,13.43 19.05,12.79 19.05,10.89 U39.17
Net-(U40-Q0): length 35
  Bottom w0.25: 53.35,15.98 52.72,16.6 52.71,16.6 52.07,17.24 50.17,17.24 47.07,20.34 47.07,20.48 45.23,22.32 22.83,22.32 21.56,23.58
Net-(U40-Q1): length 35
  Bottom w0.25: 19.02,23.58 20.73,21.87 45.05,21.87 46.62,20.3 46.62,20.15 50.79,15.98 50.8,15.98
Net-(U40-Q2): length 36.1
  Bottom w0.25: 48.26,15.98 48.26,17.87 46.17,19.96 46.17,20.11 44.86,21.42 18.65,21.42 16.48,23.58
Net-(U40-Q3): length 37.2
  Bottom w0.25: 45.73,15.98 45.72,15.98 45.72,19.92 44.67,20.97 16.55,20.97 13.95,23.58
Net-(U40-Q4): length 38.8
  Bottom w0.25: 43.19,15.98 43.19,17.87 40.98,20.07 12.98,20.07 8.86,15.96
Net-(U40-Q5): length 33.9
  Bottom w0.25: 11.41,15.96 15.06,19.62 39.84,19.62 40.65,18.82 40.65,15.98
Net-(U40-Q6): length 28.3
  Bottom w0.25: 38.1,15.98 38.1,18.5 37.44,19.17 17.16,19.17 13.95,15.96
Net-(U40-Q7): length 20.7
  Bottom w0.25: 35.56,15.98 35.56,17.87 34.71,18.72 20.52,18.72 19.02,17.22 19.02,15.96
Net-(U49-4FSC/~{FSC}): length 4.7
  Top w0.25: U49.12 20.95,81.38 21.59,82.01 22.86,82.01 23.23,82.38 RVE25.1
Net-(U49-APOS): length 27.1
  Top w0.5: 11.15,71.85 6.38,71.85 LVE1.2 ; 11.15,71.85 11.43,71.85 11.83,71.45 CVE1.1 ; 11.15,71.85 CVE2.1 18.41,73.75 ; U49.14 18.41,73.75 ; U49.4 19.69,72.48 18.41,73.75
Net-(U49-COMP): length 16
  Top w0.25: CVE5.1 v1(14.6,85.18) ; U49.10 23.49,81.38 v1(24.13,82.01)
  Bottom w0.25: v1(14.6,85.18) 14.6,83.28 16.51,81.38 23.49,81.38 v1(24.13,82.01)
Net-(U49-CRMA): length 14.6
  Top w0.25: v1(24.77,78.2) U49.9 ; CVE7.1 15.24,77.56 v1(15.88,76.93)
  Bottom w0.25: v1(15.88,76.93) 23.49,76.93 v1(24.77,78.2)
Net-(U49-FIN): length 15.2
  Top w0.25: 23.49,65.59 23.4,65.5 YVE1.1 ; U49.3 YVE1.1 ; YVE1.1 14.37,65.5 CVE10.1
Net-(U49-LUMA): length 12.4
  Top w0.25: U49.11 v1(22.23,78.83) ; v1(14.69,80.6) 13.92,81.38 CVE4.1
  Bottom w0.25: v1(22.23,78.83) 15.24,78.83 14.69,79.38 v1(14.69,80.6)
Net-(UPS2-DC): length 2.6
  Top w0.25: RPS3.2 45.72,107.68 UPS2.8
Net-(UPS2-Ipk): length 11.9
  Top w0.25: UPS2.7 44.45,109.64 43.45,108.64 RPS3.1 RPS2.2 40.37,106.14 38.73,106.14 37.21,107.66 LPS2.2
Net-(UPS2-TC): length 6.3
  Top w0.25: 43.18,115.06 43.18,115.66 43.82,116.3 46.99,116.3 47.86,115.43 CPS7.1
Net-(UPS2-Vfb): length 10.6
  Top w0.25: RPS1.1 49.9,111.95 RPS4.1 46.62,111.22 42.94,111.22 41.91,110.19 UPS2.5

## Copper pours and planes (outline as drawn; the poured copper is in the pictures)
GND on Top: 1.27,127.73 1.27,1.27 211.83,1.27 211.83,127.73 192.58,127.73 192.58,112.49 111.66,112.49 111.66,127.73
VCC on Bottom: 1.27,127.73 1.27,1.27 211.83,1.27 211.83,127.73 192.58,127.73 192.58,112.49 111.66,112.49 111.66,127.73

## Text on the board
User.Drawings: SWCPU1 ROM page select / 1    2    3  active addr / ON  ON  ON  00000 0FFFF / OFF ON  ON  10000 1FFFF / ON  OFF ON  20000 2FFFF / OFF OFF ON  30000 3FFFF / ON  ON  OFF 40000 4FFFF / OFF ON  OFF 50000 5FFFF / ON  OFF OFF 60000 6FFFF / OFF OFF OFF 70000 7FFFF | RPI2  DPI2 / RIO13 RIO16 / RIO14 RIO11 / RIO15 RIO10 | UNIT 4 | RVE16 CVE8 / RVE5  RVE20 / RVE4  RVE12 / RVE17 CVE6 / RVE8  RVE21 / RVE7  RVE13 / RVE18 CVE3 / RVE11 RVE22 / RVE10 RVE14 / RVE3 | ON | UNIT 1 | EDGE connector position X=172.44 Y=24.13 / BOARD connector position X=174 Y=33.02 / Hole1: X=127 Y=24.13, Hole2: X=215.9 Y=39.37 / Hole3: X=228.6 Y=64.77, Hole4: X=228.6 Y=144.78 / Hole5: X=24.13 Y=144.78, Hole6: X=24.13 Y=64.77
F.Silkscreen: SWCPU1 ROM page select / 1    2    3  active addr / ON  ON  ON  00000 0FFFF / OFF ON  ON  10000 1FFFF / ON  OFF ON  20000 2FFFF / OFF OFF ON  30000 3FFFF / ON  ON  OFF 40000 4FFFF / OFF ON  OFF 50000 5FFFF / ON  OFF OFF 60000 6FFFF / OFF OFF OFF 70000 7FFFF | RPI2  DPI2 / RIO10 RIO13 / RIO12 RIO8 / RIO11 RIO7 | UNIT 4 | RVE16 CVE8 / RVE5  RVE20 / RVE4  RVE12 / RVE17 CVE6 / RVE8  RVE21 / RVE7  RVE13 / RVE18 CVE3 / RVE11 RVE22 / RVE10 RVE14 / RVE3 | UNIT 1
